# Altium PCB Drivers.PcbDoc (part 2 of 2)
Units mil, origin at the board's own origin, x right, y up, seen from the top; angles counter-clockwise.
Board outline 5500 x 3355 mil, 4 copper layers (Top Layer, GND, Inner 2, EARTH), stack 58.74 mil thick; 166 components, 120 nets, 482 pads, 174 vias.
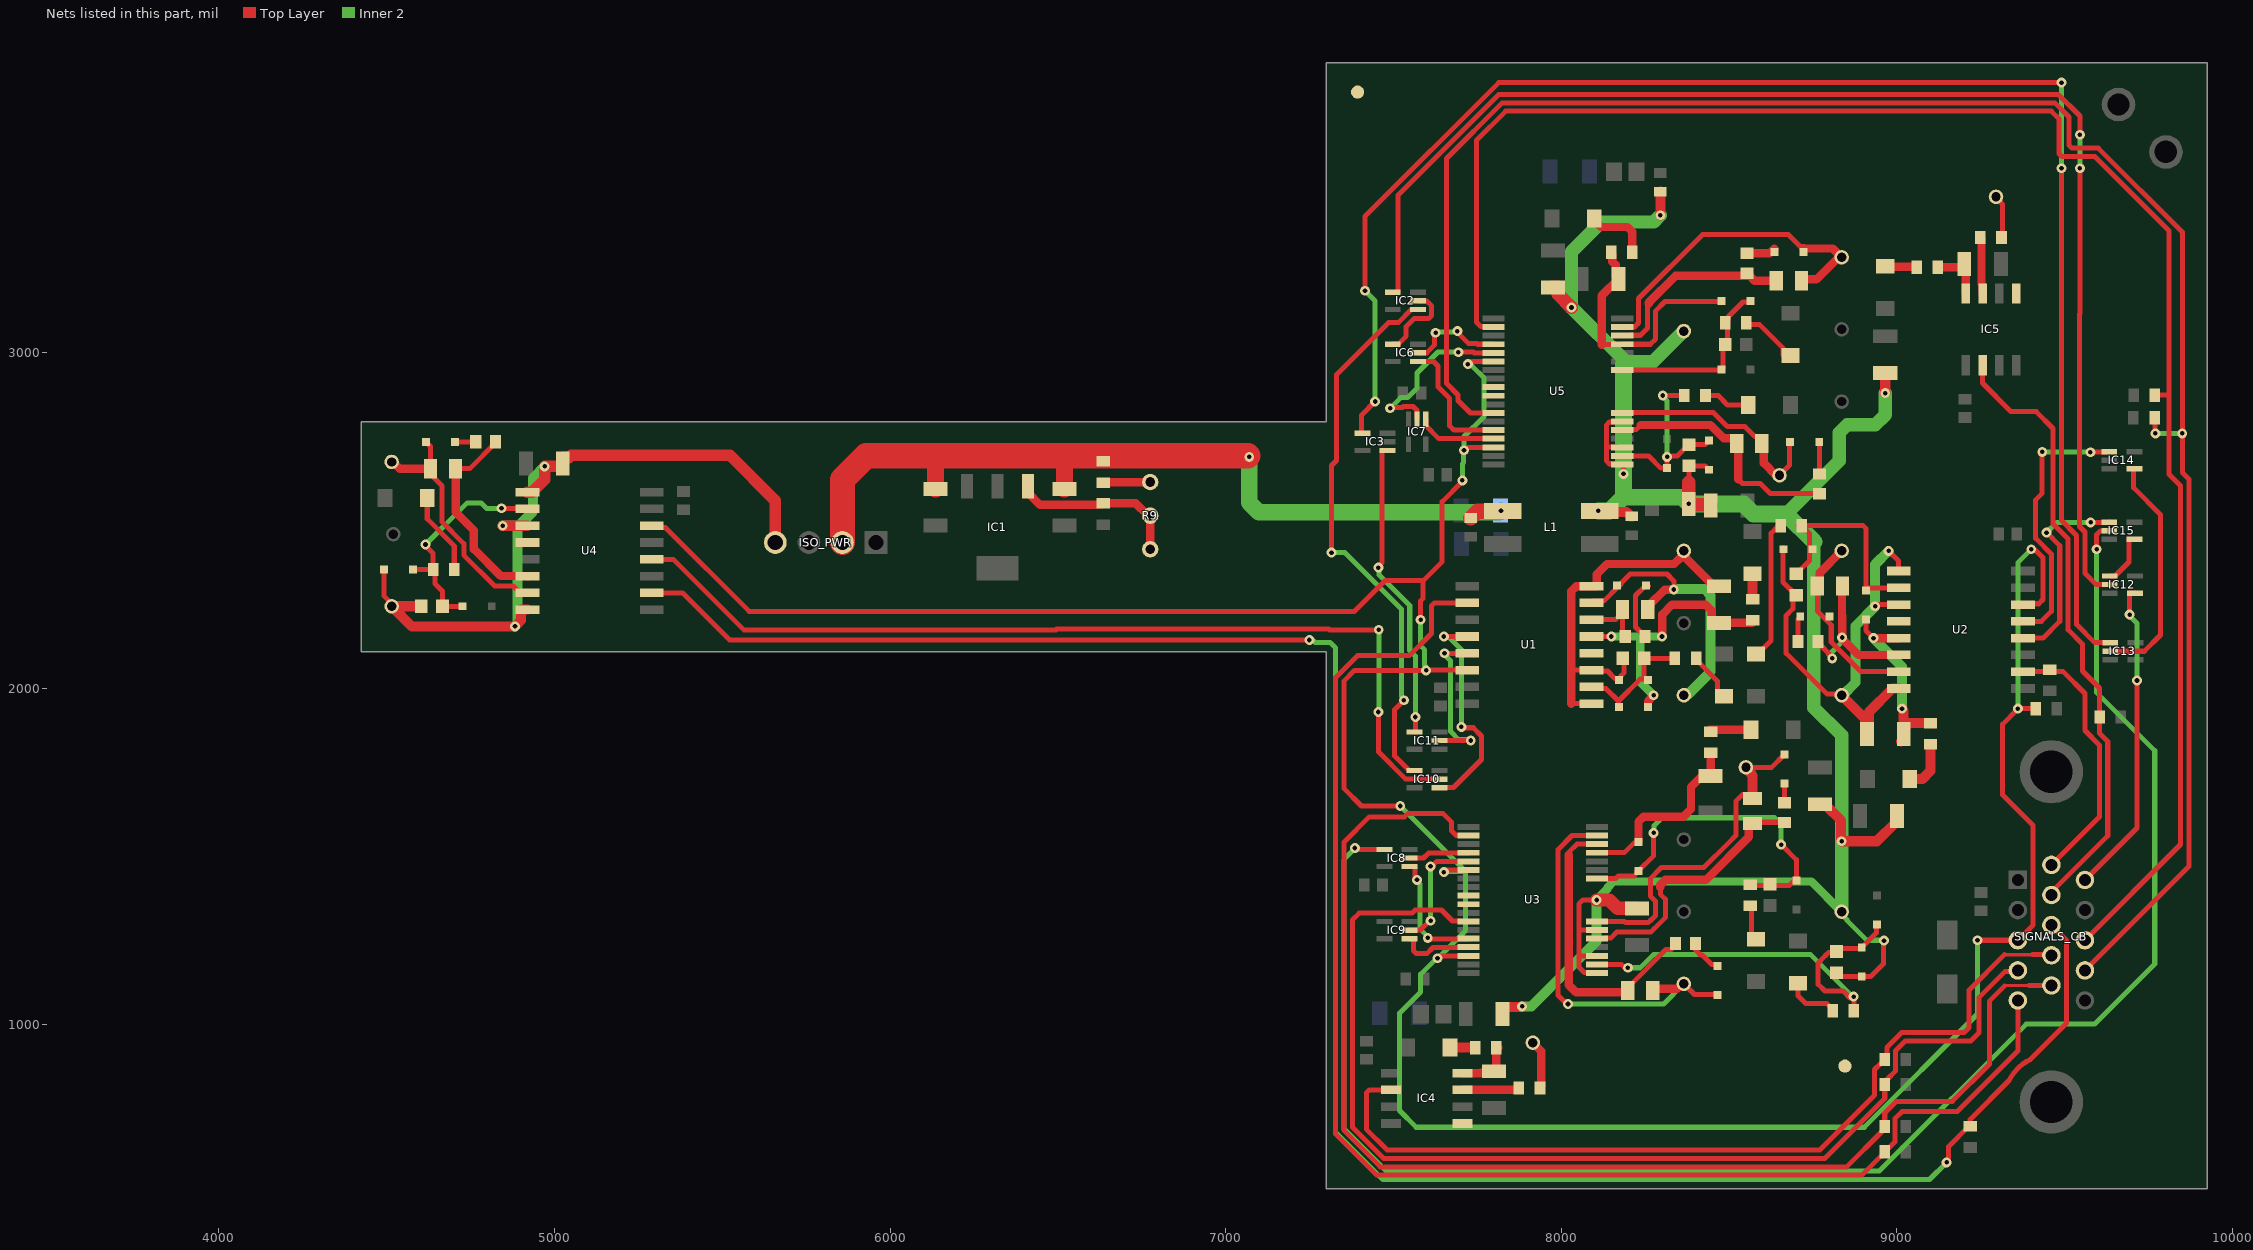
[diagram p4: the nets of this part, all layers, seen from the top]

## Via types
v1: diameter 29.53, hole 13.78, Top Layer to EARTH, tented top, 155 vias
v2: diameter 29.53, hole 13.78, Top Layer to EARTH, 19 vias

## Nets (pads, with @x,y where several pads share a name; then routed paths per layer and width w, separated by ;. In a path a pad name is that pad's centre, name@x,y a point inside that pad or via, vN(x,y) a via of type N, cw(c..) or ccw(c..) an arc to the next point about the centre after c; other vN are vias at no path point) (continued)
FLT_HS_1: IC7.2 U5.5 | length 519.2
  Top Layer w15: v1(7490,2835) 7492.78,2837.78 7526.71,2837.78 7529.45,2840.52 7558.29,2840.52 7569.63,2829.19 7569.63,2802.78 IC7.2@7570,2802.4 ; v2(7693,3002) 7693.26,3002.26 7738.36,3002.26 7740.55,3000.08 7798.39,3000.08 U5.5@7798.46,3000.16
  Inner 2 w15: v1(7490,2835) 7521.39,2866.39 7541.39,2866.39 7570,2895 7570,2940 7632.78,3002.78 7692.22,3002.78 v2(7693,3002)
FLT_HS_2: IC9.2 U3.5 | length 356.6
  Top Layer w15: IC9.2@7547.4,1280 7547.78,1280.37 7579.85,1280.37 7607.54,1308.07 v1(7610.48,1308.07) ; v2(7610,1470) 7613.93,1470 7629.09,1485.16 U3.5@7723.46,1485.16
  Inner 2 w15: v2(7610,1470) 7610,1308.55 v1(7610.48,1308.07)
FLT_LS_1: IC7.1 U5.15 | length 237.9
  Top Layer w15: IC7.1@7595.59,2802.4 7595.96,2802.03 7595.96,2783.41 7635.12,2744.25 U5.15@7798.46,2744.25
FLT_LS_2: IC9.1 U3.15 | length 223.1
  Top Layer w15: IC9.1@7547.4,1254.41 7559.12,1254.41 7559.5,1254.04 7559.5,1218.79 7568.28,1210 7598.97,1210 7617.64,1228.66 7722.87,1228.66 U3.15@7723.46,1229.25
FLT_MERGE_1: IC3.1 IC11.4 | length 907.1
  Top Layer w15: v1(7455,2360) 7455,2363.93 7466.28,2375.21 7466.28,2709.04 7466.65,2709.41 IC3.1@7482.4,2709.41 ; IC11.4@7562.6,1870.59 7564.63,1870.59 7565,1870.96 v1(7565,1915)
  Inner 2 w15: v1(7455,2360) 7456.53,2358.47 7456.53,2338.83 7548.33,2247.03 7548.33,2113.52 7565,2096.85 v1(7565,1915)
FLT_MERGE_2: IC3.4 IC13.1 | length 4671.3
  Top Layer w15: IC3.4@7405,2760.22 7405,2815 v1(7445,2855) ; v1(7415,3185) 7415,3406.89 7813.11,3805 v1(9490,3805) ; v2(9490,3550) 9490,2501.02 9535,2456.02 9535,2191.07 9589.48,2136.59 IC13.1@9635.6,2136.59
  Inner 2 w15: v1(7415,3185) 7445,3155 v1(7445,2855) ; v2(9490,3550) v1(9490,3805)
FLT_MERGE_3: IC13.2 IC14.4 | length 698.4
  Top Layer w15: IC13.2@9635.6,2111 9736.81,2111 9785,2159.19 9785,2518 9705,2598 9705,2654.04 IC14.4@9705.75,2654.78
FLT_ZR1: IC11.2 U1.13 | length 472.4
  Top Layer w15: IC11.2@7637.4,1845 v2(7730,1845) ; v1(7651.75,2105) U1.13@7719.96,2105
  Inner 2 w15: v1(7651.75,2105) 7651.75,2101.07 7669.73,2083.08 7669.73,1872.5 7694.45,1847.78 7727.22,1847.78 v2(7730,1845)
FLT_ZR2: IC14.1 U2.13 | length 800.8
  Top Layer w15: U2.13@9375.04,2200 9430,2200 9460,2230 9460,2400.63 9413.18,2447.45 9413.18,2562.18 9432.74,2581.74 v1(9432.74,2705) ; v2(9576,2704) 9577.22,2705.22 9632.22,2705.22 IC14.1@9632.6,2705.59
  Inner 2 w15: v1(9432.74,2705) 9433.24,2704.5 9575.5,2704.5 v2(9576,2704)
G_H_1: D30.2 G_H_1.1 R13.2 U5.35 | length 996.6
  Top Layer w15: U5.35@8181.54,3076.93 8182.13,3077.52 8218.77,3077.52 8230,3088.75 8230,3161.85 8420.96,3352.82 8676.16,3352.82 8711.98,3317 8722.8,3317 ; R13.2@8714.1,3225.16 8714.1,3216.3 R13.2@8715.4,3215
  Top Layer w25: R13.2@8712.62,3219 8759.59,3219 8825.16,3284.57 G_H_1.1@8835,3284.57 8808.57,3311 D30.2@8722.8,3311
G_H_2: D17.2 G_H_2.1 R21.2 U3.35 | length 1183.7
  Top Layer w15: v1(8020,1060) 8016.07,1060 7990,1086.07 7990,1520 8031.93,1561.93 U3.35@8106.54,1561.93 ; G_H_2.1@8365,1120 8396.8,1088.2 D17.2@8461,1088.2
  Top Layer w25: R21.2@8275.22,1105 8345.05,1105 8360.05,1120 G_H_2.1@8365,1120
  Inner 2 w15: v1(8020,1060) 8305,1060 G_H_2.1@8365,1120
G_L_1: D35.2 G_L_1.1 R18.2 U5.25 | length 683.9
  Top Layer w15: U5.25@8181.54,2821.02 8182.89,2822.38 8452.62,2822.38 8495,2780 8547.4,2780 8576.36,2751.04 8585.22,2751.04 R18.2@8597.4,2738.86 ; R18.2@8594.37,2726.97 R18.2@8603.44,2717.89 ; G_L_1.1@8650,2635 8679.2,2664.2 D35.2@8679.2,2735
  Top Layer w25: R18.2@8603.44,2717.89 8603.44,2671.71 8640.16,2635 G_L_1.1@8650,2635
G_L_2: D21.2 G_L_2.1 R24.2 U3.25 | length 971
  Top Layer w15: U3.25@8106.54,1306.02 8186.7,1306.02 8190.5,1302.22 8258.71,1302.22 8266.04,1309.56 8266.83,1309.56 8280.33,1323.05 8280.33,1366.4 8265,1381.73 8265,1433.49 8298.01,1466.5 8424.65,1466.5 8496.96,1538.81 8520,1561.85 8520,1663.86 8540,1683.86 ; G_L_2.1@8550,1765 8626.69,1765 D21.2@8665,1803.31
  Top Layer w30: G_L_2.1@8550,1765 8550,1761.4 8570,1741.4 R24.2@8570,1672.4
G_SB1: G_SB1.1 R2.2 | length 141.4
  Top Layer w15: G_SB1.1@9295,3465 9295,3462.06 9315,3442.06 R2.2@9315,3331.9
G_SB2: G_SB2.1 R1.2 | length 170.8
  Top Layer w25: G_SB2.1@7915,945 7940,920 7940,850 ; R1.2@7939.74,817.19 7939.74,831 7940,831.26 7940,850 ; R1.2@7940,817.44 7940,850
G_SW: D26.2 G_SW.1 R4.2 U4.7 | length 762.5
  Top Layer w15: D26.2@4616.69,2735 4630.6,2721.09 R4.2@4630.6,2646.14 ; R4.2@4629.71,2639.03 4665,2603.74 4665,2496.73 4730,2431.73 4730,2397.22 4821.92,2305.3 4877.03,2305.3 4897.32,2285 U4.7@4919.96,2285
  Top Layer w25: G_SW.1@4515,2675 4518.8,2675 4538.8,2655 R4.2@4630.6,2655 ; R4.2@4635.6,2644.92 R4.2@4635.6,2669.09
G_ZR1: D32.2 G_ZR1.1 R7.2 U1.7 | length 881.5
  Top Layer w15: U1.7@8090.04,2255 8095.33,2260.3 8126,2260.3 D32.2@8168.45,2302.74 ; D32.2@8164.2,2307 D32.2@8165.69,2307 8175.02,2307 8177.37,2309.34 8177.37,2313.05 8205.32,2341 8314.51,2341 8335,2320.51 v1(8335,2295)
  Top Layer w25: R7.2@8257.4,2235 8264.59,2242.19 8264.59,2251.04 8307.68,2294.13 8334.13,2294.13 v1(8335,2295)
  Inner 2 w30: v1(8335,2295) 8336.17,2296.17 8426.25,2296.17 8445,2277.43 8445,2050.16 8374.84,1980 G_ZR1.1@8365,1980
G_ZR2: D11.2 G_ZR2.1 R15.2 U2.7 | length 565.6
  Top Layer w15: R15.2@8762.6,2305 8762.6,2230.71 8804.14,2189.17 8804.14,2138.75 8892.89,2050 U2.7@9004.96,2050
  Top Layer w25: R15.2@8761.6,2295.86 8769.78,2304.04 8769.78,2344.78 G_ZR2.1@8835,2410
GND_ISO2: C3.1 C10.1 D25.2 ISO_PWR.4 S_SW.1 U4.1 U4.3 U4.8 | length 2308.5
  Top Layer w15: D25.2@4491.69,2355 4491.69,2275.97 4515,2252.66 S_SW.1@4515,2245
  Top Layer w30: C10.1@4603.5,2245 S_SW.1@4515,2245 4575,2185 v1(4882.43,2185) 4900,2202.57 4900,2232.8 4902.2,2235 U4.8@4919.96,2235 ; v1(4846,2485) U4.3@4919.96,2485
  Top Layer w35: U4.1@4919.96,2585 4933.19,2585 4970.95,2622.76 v1(4970.95,2661.99) 5021.56,2661.99 5024.72,2665.16 5024.72,2685.16 5027.89,2688.33 5043.05,2688.33 5049.72,2695 5523,2695 5658,2560 ISO_PWR.4@5658,2435
  Inner 2 w30: v1(4846,2485) 4887,2485 4890,2482 ; v1(4882.43,2185) 4890,2192.57 4890,2482 ; v1(4970.95,2661.99) 4936.5,2627.55 4936.5,2528.5 4890,2482
GND_ISO3: C7.2 C12.1 C16.1 C18.1 C24.1 C26.1 C27.1 C28.1 C29.1 C33.1 C35.1 C39.2 D22.2 D37.2 L1.2 S_L_1.1 S_L_2.1 U3.19 U3.21 U3.24 U5.19 U5.21 U5.24 | length 7124.7
  Top Layer w15: v1(8105,1370) 8063.86,1370 8052.08,1358.21 8052.08,1280.43 ; U3.19@8106.54,1152.48 8082.52,1152.48 8081.16,1153.84 8068.53,1153.84 8052.08,1170.29 8052.08,1203.66 ; U3.21@8106.54,1203.66 8052.08,1203.66 ; U3.24@8106.54,1280.43 8052.08,1280.43 ; U5.21@8165,2720 8134.16,2720 ; U5.19@8180,2667.48 8157.52,2667.48 8156.16,2668.84 8149.05,2668.84 8148.18,2669.71 8142.66,2669.71 8134.16,2678.21 8134.16,2720 ; U5.24@8181.54,2795.43 8157.52,2795.43 8156.16,2794.07 8143.53,2794.07 8134.16,2784.71 8134.16,2720 ; v1(8185,2639.33) U5.19@8185,2666.12 ; 8380,2615 8380,2662.52 C26.1@8380.98,2663.5 ; C26.1@8380,2663.5 C26.1@8380.98,2663.5 ; D37.2@8440,2651.69 8428.19,2663.5 C26.1@8380.98,2663.5 ; C35.1@8820,1153.5 8831.2,1142.3 8840.36,1142.3 8840.97,1141.69 D22.2@8895,1141.69 8921.69,1141.69 8960,1180 8960,1247.68 v1(8961.16,1248.84) ; 8052.08,1203.66 8052.08,1280.43
  Top Layer w30: C27.1@7824.72,1030 7824.72,1045.16 7830.39,1050.83 7880.83,1050.83 v1(7883,1053) ; v1(8109.68,2529.21) 8113.31,2525.59 8194.49,2525.59 8207.13,2512.95 C39.2@8210,2512.95 ; v1(8295,3410) C7.2@8295,3480 ; C29.1@8770,1655.28 8775.67,1649.61 8790.83,1649.61 8833.25,1607.18 8833.25,1546.75 v1(8835,1545) 8939.88,1545 8999.72,1604.84 C16.1@8999.72,1620 ; v1(8965,2880) C28.1@8965,2940.28
  Top Layer w40: C18.1@7975,3195.28 7990.16,3195.28 7990.83,3194.61 7990.83,3174.17 8029.64,3135.36 v1(8030.36,3135.36) ; v1(8105,1370) 8142.66,1370 8167.27,1345.39 8224.33,1345.39 C33.1@8225,1344.72 ; v1(8380,2550) C24.1@8379.72,2550 ; 8380,2615 8380,2550.28 C24.1@8379.72,2550 ; C12.1@8445.28,2540 8445.28,2546.83 8444.61,2547.5 8380.39,2547.5 8379.72,2548.17 C24.1@8379.72,2550
  Inner 2 w15: S_L_2.1@8835,1327.34 8850.69,1311.65 8850.69,1309.46 8910.16,1250 8960,1250 v1(8961.16,1248.84)
  Inner 2 w25: v1(8105,1370) 8105,1371.23 8138.32,1404.55 8138.32,1407.32 8156,1425 8745,1425 S_L_2.1@8835,1335
  Inner 2 w30: v1(7883,1053) 7911,1053 8105,1247 v1(8105,1370)
  Inner 2 w40: v1(8295,3410) 8275,3390 8119.29,3390 8030.36,3301.07 v1(8030.36,3135.36) 8192.5,2973.21 8273.21,2973.21 S_L_1.1@8365,3065 ; 8670,2520 8828.43,2678.43 8828.43,2762.5 8851.67,2785.75 8935.75,2785.75 8965,2815 v1(8965,2880) ; 8752.5,2437.5 8752.5,1943.21 8835,1860.71 v1(8835,1545) S_L_2.1@8835,1335.9
  Inner 2 w50: v1(8109.68,2529.21) 8144.21,2529.21 8185,2570 ; 8185,2965.71 v1(8185,2639.33) 8185,2570 ; 8752.5,2437.5 8670,2520 8572.5,2520 8542.5,2550 v1(8380,2550) 8360,2570 8185,2570
GND_ISO3_RAW: C6.1 C8.1 C38.2 C40.1 ISO_PWR.2 L1.1 R41.2 | length 2650.5
  Top Layer w25: 6775,2685 6780,2690 ; v2@7070,2688.77 v2(7070,2690)
  Top Layer w45: C38.2@7730,2507.95 7750.14,2528.09 7824.19,2528.09 L1.1@7825.32,2529.21
  Top Layer w50: 6124.88,2700.12 6135,2690 C6.1@6135,2594.72 ; C8.1@6520,2594.72 6520,2683.34 6530,2693.34
  Top Layer w75: ISO_PWR.2@5858,2435 5858,2623 5928.34,2693.34 6530,2693.34 v2@7066.66,2693.34
  Inner 2 w50: v2(7070,2690) 7070,2554.29 7099.29,2525 7816.1,2525 v1(7820.32,2529.21)
HS_1: R29.2 SIGNALS_CB.13 U5.2 | length 5197.6
  Top Layer w15: U5.2@7798.46,3076.93 7774.45,3076.93 7773.09,3078.29 7760.46,3078.29 7747.26,3091.48 7747.26,3633.09 7834.17,3720 9460,3720 9482.5,3697.5 9482.5,3593.79 9491.29,3585 9589.64,3585 9810,3364.64 9810,2874 ; SIGNALS_CB.13@9557.6,1247.6 9845,1535 9845,2604.17 9810,2639.17 9810,2874 ; R29.2@9768.5,2874 9810,2874
HS_2: R26.2 SIGNALS_CB.10 U3.2 | length 3822.6
  Top Layer w10: 9321,1114 9322,1115 9394,1115
  Top Layer w15: U3.2@7723.46,1561.93 7722.87,1562.52 7686.23,1562.52 7673.09,1575.66 7673.09,1601.91 7648.05,1626.95 7542.58,1626.95 7533.36,1617.74 7427.74,1617.74 7352.75,1542.75 7352.75,682.54 7460.29,575 8850,575 8955.26,680.26 8955.26,682.81 8960.94,688.5 8963.5,688.5 R26.2@8963.5,695 8963.5,735 8998.5,770 9165,770 9275,880 9275,1068 9321,1114 ; 9394,1115 9394.35,1115.35 SIGNALS_CB.10@9460,1115.35
IN_FD: R28.2 SIGNALS_CB.8 U4.10 | length 6325.7
  Top Layer w15: U4.10@5290.04,2285 5381.49,2285 5522.04,2144.45 v1(7249.18,2144.45) ; v1(9148,588) 9154.07,594.07 9154.07,635.5 9214.06,695.5 R28.2@9218,695.5 9218,716 9333.81,831.81 cw(c9460,768.11) 9396.31,894.31 9505.06,1003.06 9505.06,1249.82 SIGNALS_CB.8@9460,1294.88
  Inner 2 w15: v1(7249.18,2144.45) 7251.95,2141.67 7262.23,2141.67 7266.71,2137.18 7311.26,2137.18 7327.18,2121.26 7327.18,2076.71 7327.18,678 7468,537.18 9097.18,537.18 v1(9148,588)
IN_ZR1: R31.2 SIGNALS_CB.5 U1.10 | length 4325.3
  Top Layer w15: U1.10@7719.96,2255 7621.64,2255 7612.74,2246.1 7612.74,2218.48 7612.85,2218.36 7612.85,2163.84 7547.01,2098 7392.64,2098 7327.75,2033.1 7327.75,672.19 7449.93,550 8895,550 8952.81,607.81 8955.26,607.81 8963.5,616.06 8963.5,623.94 8971.75,632.19 8977.19,632.19 8993.75,648.75 8993.75,718.2 9015.56,740 9180,740 9360,920 SIGNALS_CB.5@9360,1070.47
IN_ZR2: R30.2 SIGNALS_CB.6 U2.10 | length 799.5
  Top Layer w15: U2.10@9375.04,2050 9455,2050 9495,2050 9560,1985 9560,1875 9603,1832 9603,1617.41 SIGNALS_CB.6@9460,1474.41
LS_1: R33.2 SIGNALS_CB.14 U5.12 | length 5790.6
  Top Layer w15: U5.12@7798.46,2821.02 7729.6,2821.02 7692.26,2858.36 7692.26,2874.74 7657.74,2909.26 7657.74,3578.92 7823.82,3745 9470.36,3745 9512.78,3702.58 9512.78,3618.79 9521.56,3610 9600,3610 9850,3360 v1(9850,2760) 9850,2643.74 9870,2623.74 9870,1470.24 SIGNALS_CB.14@9560,1160.24 ; R33.2@9767.5,2807 9768.75,2805.75 9768.75,2761.25 v1(9770,2760)
  Inner 2 w15: v1(9770,2760) v1(9850,2760)
LS_2: R32.2 SIGNALS_CB.4 U3.12 | length 3368.6
  Top Layer w15: U3.12@7723.46,1306.02 7699.45,1306.02 7698.09,1307.38 7675.69,1307.38 7642.75,1340.33 7564.7,1340.33 7554.96,1330.59 7397.59,1330.59 7377.97,1310.97 7377.97,692.67 7470.64,600 8785,600 8963.5,778.5 R32.2@8963.5,820 8971.75,828.25 8971.75,836.75 8995,860 8995,920 9025,950 9220,950 9245,975 9245,1080 9322.22,1157.22 9356.98,1157.22 SIGNALS_CB.4@9360,1160.24
NetC4_2: C4.2 IC4.8 R35.2 | length 170.6
  Top Layer w25: IC4.8@7706,854 7758.92,854 7759.72,854.81 7793.11,854.81 7806.2,867.89 7806.2,923.8 R35.2@7812.4,930
NetC5_2: C5.2 IC5.8 R36.2 | length 168.3
  Top Layer w25: R36.2@9127.4,3255 9192.11,3255 9200.28,3263.17 C5.2@9200.28,3265 9205,3260.28 IC5.8@9205,3176.77
NetC10_2: C10.2 D23.2 D25.1 R3.1 U4.2 | length 688.4
  Top Layer w15: D25.1@4578.31,2355 R3.1@4638.5,2355 ; v1(4616,2429) 4616,2425.07 4638.5,2402.57 R3.1@4638.5,2355 ; D23.2@4726.69,2245 C10.2@4666.5,2245 4666.5,2289.88 4643.56,2312.81 4643.56,2349.95 R3.1@4638.5,2355 ; v1(4842.26,2537) 4917.96,2537 U4.2@4919.96,2535
  Inner 2 w15: v1(4616,2429) 4740.33,2553.33 4781.17,2553.33 4797.5,2537 v1(4842.26,2537)
NetC15_2: C15.2 D28.2 D33.1 R6.1 U1.2 | length 392.4
  Top Layer w15: U1.2@8090.04,2005 8095.33,1999.7 8133.3,1999.7 8170,1963 ; D28.2@8170.2,1945 8170,1945.2 8170,1963 ; D33.1@8248.98,2030 8246.63,2032.34 8246.63,2086.32 8242.95,2090 R6.1@8338.5,2090 ; D33.1@8259.8,2030 8246.63,2030 8246.63,2027.66 8234.66,2027.66 8170,1963
NetC19_2: C19.2 D29.1 R38.2 U5.33 | length 765.8
  Top Layer w15: 8120,3024.39 8180.18,3024.39 U5.33@8181.54,3025.75 8265.17,3025.75 8281,3041.57 8281,3125.23 8308.77,3153 D29.1@8477.2,3153
  Top Layer w25: 8120,3024.39 8120,3170.28 C19.2@8169.72,3220 8161.56,3228.17 8161.56,3262.19 8151.75,3271.99 8151.75,3293.5 R38.2@8145.26,3300
NetC22_2: C22.2 D29.2 D31.1 R11.1 U5.30 | length 552.4
  Top Layer w15: U5.30@8181.54,2948.98 8182.05,2949.49 8476.18,2949.49 D31.1@8476.69,2950 8481,2954.31 8481,3012.81 8490.43,3022.24 C22.2@8490.75,3022.24 ; R11.1@8488.5,3090 8496.75,3098.25 8496.75,3106.75 8541.43,3151.43 8565.24,3151.43 D29.2@8566.8,3153 ; C22.2@8493.5,3025 C22.2@8490.75,3022.24 ; R11.1@8493.5,3085 8495.28,3083.23 C22.2@8495.28,3025 ; C22.2@8495.28,3022.24 C22.2@8490.75,3022.24
NetC23_2: C23.2 D9.2 D12.1 R12.1 U2.2 | length 661.9
  Top Layer w15: C23.2@8700,2341.5 8700.98,2341.5 8712.19,2352.7 8712.19,2353.68 8740,2381.5 8740,2415 8740,2461.5 8728.68,2472.81 8724.74,2472.81 8716.5,2481.06 R12.1@8716.5,2485 ; R12.1@8706.5,2485 R12.1@8716.5,2485 ; U2.2@9004.96,2300 8915.69,2300 D9.2@8908,2292.31 8908,2476.21 8899.21,2485 R12.1@8716.5,2485
NetC26_2: C26.2 D34.2 D37.1 R17.1 U5.20 | length 579.4
  Top Layer w15: U5.20@8181.54,2693.07 8259.95,2693.07 8296.33,2656.69 D34.2@8315,2656.69 ; v1(8302,2873) R17.1@8366.5,2873 ; D34.2@8318,2659.69 8316.31,2659.69 8315,2661 v1(8315,2690) 8317.78,2692.78 8345.3,2692.78 C26.2@8380,2727.48 ; C26.2@8380,2726.5 8428.19,2726.5 D37.1@8440,2738.31
  Inner 2 w15: v1(8302,2873) 8302,2869.95 8315,2856.95 v1(8315,2690)
NetC30_2: C30.2 D16.1 R37.2 U3.33 | length 551.6
  Top Layer w15: U3.33@8106.54,1510.75 8187.75,1510.75 8216,1539 8225.69,1539 D16.1@8230,1543.31
  Top Layer w25: D16.1@8230,1543.31 8230,1603.17 8244.64,1617.82 8363.33,1617.82 8386.32,1640.8 8386.32,1706.55 C30.2@8424.67,1744.9 ; C30.2@8445,1739.72 R37.2@8445,1802.6
NetC32_2: C32.2 D16.2 D18.1 R20.1 U3.30 | length 1016.3
  Top Layer w15: U3.30@8106.54,1433.98 8161.91,1433.98 8169.96,1442.03 8216.9,1442.03 8225.69,1450.81 8225.69,1456.35 D16.2@8230,1460.66 ; D16.2@8230,1456.69 8275,1501.69 v1(8275,1570) ; R20.1@8563,1415.5 8563,1412.95 8622,1412.95 8678.98,1412.95 8700,1433.98 8700,1443.31 ; v1(8655,1535) 8700,1490 D18.1@8700,1428.31
  Inner 2 w15: v1(8275,1570) 8276.35,1571.35 8276.35,1591.35 8300,1615 8635,1615 8655,1595 8655,1550
NetC35_2: C35.2 D19.2 D22.1 R23.1 U3.20 | length 1292.4
  Top Layer w15: U3.20@8106.54,1178.07 8178.46,1178.07 8188.53,1168 v1(8198,1168) ; v1@8859.81,1078.19 8839.48,1098.52 8785.34,1098.52 8765,1118.86 8765,1182.09 8787.81,1204.9 8787.81,1205.3 8795.47,1212.95 8804.13,1212.95 8816.18,1225 8890.69,1225 8891.65,1225.96 8892.66,1225.96 8938.97,1272.28 8938.97,1298.48 D19.2@8940,1299.5 ; v1@8870.81,1082.19 8871.25,1081.75 8871.25,1040.25 R23.1@8871.5,1040
  Inner 2 w15: v1(8198,1168) 8235,1168 8274,1207 8743,1207 v1@8869.61,1080.39
  other v1: 8871,1082
NetD1_1: D1.1 R35.1 | length 69.6
  Top Layer w30: D1.1@7667.99,930 R35.1@7737.6,930
NetD2_1: D2.1 R36.1 | length 88.8
  Top Layer w25: D2.1@8965,3257.99 8966.5,3256.5 9051.1,3256.5 R36.1@9052.6,3255
NetD3_2: D3.2 R3.2 | length 246.3
  Top Layer w15: D3.2@4620.99,2568 4620.99,2505.38 4701.5,2424.88 R3.2@4701.5,2355
NetD4_1: D4.1 R39.1 | length 69.6
  Top Layer w30: R39.1@8570,2272.4 D4.1@8570,2342.01
NetD5_2: D5.2 R6.2 | length 150.5
  Top Layer w15: R6.2@8401.5,2090 8401.5,2086.06 8465.53,2022.03 8465.53,1991.56 8480.08,1977.01 D5.2@8485,1977.01
NetD6_1: D6.1 R40.1 | length 123.5
  Top Layer w30: D6.1@9059.65,1730 9075.39,1730 9100,1754.61 R40.1@9100,1827.6
NetD7_1: D7.1 R38.1 | length 194.6
  Top Layer w25: D7.1@8091.15,3393.85 8099.22,3393.85 8118.07,3375 8196.85,3375 8211.5,3360.36 R38.1@8211.5,3300
NetD8_2: D8.2 R11.2 | length 177.7
  Top Layer w15: R11.2@8556.5,3085 8590,3085 8659.99,3015.01 8659.99,2993.37 8661.35,2992.01 D8.2@8683,2992.01
NetD10_2: D10.2 R12.2 | length 411.2
  Top Layer w15: D10.2@8580,2102.99 8584.92,2102.99 8625,2143.07 8625,2462.56 8643.5,2481.06 R12.2@8643.5,2485
NetD11_1: D11.1 R16.2 | length 66.5
  Top Layer w15: R16.2@8705.47,2140 D11.1@8705.47,2206.45
NetD13_2: D13.2 R17.2 | length 147.8
  Top Layer w15: R17.2@8429.5,2873 8467.74,2873 8481.59,2859.15 8481.59,2858.01 8494.61,2845 D13.2@8564.99,2845
NetD14_1: D14.1 R37.1 | length 118.8
  Top Layer w25: R37.1@8442.31,1877.4 D14.1@8561.07,1877.4
NetD15_2: D15.2 R20.2 | length 82
  Top Layer w15: D15.2@8566,1270.65 R20.2@8566,1352.62
NetD17_1: D17.1 R22.2 | length 97.2
  Top Layer w15: R22.2@8390.22,1231.04 R22.2@8395.53,1231.04 ; R22.2@8395.53,1226.04 8403.76,1217.81 8403.76,1216.78 8414.59,1205.96 8419.51,1205.96 8447.85,1177.62 8460.69,1177.62 D17.1@8465,1173.31
NetD20_2: D20.2 R23.2 | length 140
  Top Layer w15: D20.2@8705,1100.35 8705,1084.61 8728.01,1061.59 8790.85,1061.59 8808.5,1043.94 R23.2@8808.5,1040
NetD21_1: D21.1 R25.2 | length 52.2
  Top Layer w15: R25.2@8665,1664.53 D21.1@8665,1716.69
NetD26_1: D26.1 R5.2 | length 62.2
  Top Layer w15: D26.1@4703.31,2735 R5.2@4765.47,2735
NetD30_1: D30.1 R14.2 | length 87.7
  Top Layer w25: R14.2@8553,3296.53 8620.22,3296.53 D30.1@8634.69,3311
NetD32_1: D32.1 R10.2 | length 186
  Top Layer w15: R10.2@8249.53,2155 8249.53,2157.95 8240.3,2167.19 8237.34,2167.19 8221,2183.53 8221,2277.02 8248.98,2305 D32.1@8259.8,2305
NetD35_1: D35.1 R19.2 | length 93.6
  Top Layer w15: D35.1@8768.8,2735 8768.8,2658.3 8768.8,2647.6 8769,2647.4 8769.91,2647.4 8772,2649.49 R19.2@8772,2647.4
NetFID1_1: FID1.1
NetFID2_1: FID2.1
NetIC1_1: IC1.1 R8.2 R9.1 R9.2 | length 515
  Top Layer w25: IC1.1@6410.55,2602.05 6410.55,2583.35 6446.67,2547.22 6539.68,2547.22 6613.17,2547.22 6614.19,2548.25 6631.75,2548.25 R8.2@6635,2551.5 6732.06,2551.5 6768.55,2515 R9.2@6775,2515 R9.1@6775,2415
NetIC4_5: IC4.5
NetIC4_7: IC4.7 R1.1 | length 171.6
  Top Layer w25: IC4.7@7706,804 7870.26,804 7873.5,807.25 R1.1@7873.5,810
NetIC5_5: IC5.5
NetIC5_7: IC5.7 R2.1 | length 165.3
  Top Layer w25: R2.1@9251.75,3340.75 9251.75,3205.16 9254.7,3202.2 9254.7,3177.07 IC5.7@9255,3176.77
NetR4_1: R4.1 R5.1 U4.6 | length 617.6
  Top Layer w15: R4.1@4697.4,2655 4747.48,2655 4824.53,2732.05 R5.1@4824.53,2735
  Top Layer w25: R4.1@4705.4,2655 4705.4,2525.6 4760,2471 4760,2415.23 4839.94,2335.3 4919.67,2335.3 U4.6@4919.96,2335
NetR7_1: R7.1 R10.1 U1.6 | length 163.1
  Top Layer w15: U1.6@8090.04,2205 8161.46,2205 8177.91,2221.46 8182.6,2216.77 R10.1@8182.6,2155
NetR9_3: R9.3 R41.1 | length 140.6
  Top Layer w25: R41.1@6635,2613.5 6635.75,2614.25 6774.25,2614.25 R9.3@6775,2615
NetR13_1: R13.1 R14.1 U5.34 | length 586.5
  Top Layer w15: U5.34@8181.54,3051.34 8205.73,3051.34 8206.91,3052.52 8235.79,3052.52 8256,3072.73 8256,3142.66 8260,3146.66
  Top Layer w25: 8260,3146.66 8260,3149.43 8340.17,3229.6 R14.1@8553,3229.6 ; R14.1@8553,3237.47 8555.95,3237.47 8560.19,3233.24 8560.19,3230.29 8575.47,3215 R13.1@8640.6,3215
NetR15_1: R15.1 R16.1 U2.6 | length 463.7
  Top Layer w15: R16.1@8764.53,2140 8764.53,2137.05 8804.48,2097.09 8804.48,2092.78 v1(8807.26,2090)
  Top Layer w25: R15.1@8836.4,2287 8836.1,2286.7 8836.1,2216.88 8836.4,2216.58 8836.4,2150.03 8837.27,2150.03 8837.27,2148.05 8885.32,2100 U2.6@9004.96,2100
  Inner 2 w15: v1@8797.26,2100 8833.62,2136.36 8833.62,2149.34 v1(8836.4,2152.12)
NetR18_1: R18.1 R19.1 U5.23 | length 736.9
  Top Layer w15: U5.23@8181.54,2769.84 8205.55,2769.84 8206.91,2771.2 8223.13,2771.2 8236.93,2785 ; 8527,2623.6 8539.68,2610.92 8592.57,2610.92 8623.02,2580.47 R19.1@8762.55,2580.47
  Top Layer w25: 8236.93,2785 8444.51,2785 8483.46,2746.04 8515.41,2746.04 8526.36,2735.1 8526.36,2714.6 8527,2713.96 8527,2623.6
NetR21_1: R21.1 R22.1 U3.34 | length 865
  Top Layer w15: 8022.08,1505 8022.08,1512.08 8046.34,1536.34 U3.34@8106.54,1536.34 ; R21.1@8197.6,1100 8197.6,1108.86 8311.56,1222.81 8328.29,1222.81 R22.1@8335.47,1230
  Top Layer w25: 8022.08,1505 8022.08,1116.92 8044,1095 R21.1@8191.41,1095
NetR24_1: R24.1 R25.1 U3.23 | length 792.2
  Top Layer w15: U3.23@8106.54,1254.84 8130.55,1254.84 8131.91,1256.2 8147.2,1256.2 8166,1275 8266.84,1275 8276.4,1284.56 8277.19,1284.56 8310,1317.37 8310,1372.08 8295,1387.08 8295,1408.07 ; R24.1@8570,1597.6 8573.94,1601.54 8661.06,1601.54 R25.1@8665,1605.47
  Top Layer w25: 8295,1408.07 8295,1415.36 8309.64,1430 8430.57,1430 8558.46,1557.88 R24.1@8558.46,1595.79
NetU1_4: U1.4
NetU2_4: U2.4
NetU3_9: U3.9
NetU3_10: U3.10
NetU4_4: U4.4
NetU5_9: U5.9
NetU5_10: U5.10
RDY: IC12.4 SIGNALS_CB.11 | length 943.1
  Top Layer w15: SIGNALS_CB.11@9560,1429.53 9715,1584.53 v1(9715,2024) ; v1(9693.21,2220) 9693.21,2283.63 9693.58,2284 IC12.4@9708.8,2284
  Inner 2 w15: v1(9693.21,2220) 9693.21,2216.07 9715,2194.28 v1(9715,2024)
RDY_1: IC2.2 IC6.4 | length 244.3
  Top Layer w15: IC6.4@7497.6,3025.59 7497.97,3025.96 7513.72,3025.96 7537.68,3049.92 7537.68,3078.31 7561.64,3102.26 7604.66,3102.26 7613.45,3111.05 7613.45,3140.37 7599.19,3154.63 7572.78,3154.63 IC2.2@7572.4,3155
RDY_2: IC8.4 IC15.2 | length 5065.6
  Top Layer w15: v2(7385.01,1525) 7388.94,1525 7393.35,1520.59 IC8.4@7481.11,1520.59 ; v1(9595,2415) 9594.48,2415.52 9594.48,2458.29 9605.81,2469.63 9616.48,2469.63 9616.85,2470 IC15.2@9632.6,2470
  Inner 2 w15: v2(7385.01,1525) 7385.01,1524.06 7352.18,1491.23 7352.18,722.36 7352.18,688.36 7478.36,562.18 8947.18,562.18 9385,1000 9588.61,1000 9768,1179.39 9768,1814.74 9595,1987.74 v1(9595,2415)
RDY_FD: IC10.2 U4.12 | length 2834.7
  Top Layer w15: U4.12@5290.04,2385 5354.29,2385 5564.29,2175 6494.36,2175 6496.08,2176.71 7308.31,2176.71 7310.02,2175 v2(7456.06,2175) ; v1(7455,1930) 7455,1811.19 7536.19,1730 IC10.2@7637.4,1730
  Inner 2 w15: v1(7455,1930) 7456.06,1931.06 v2(7456.06,2175)
RDY_HS_1: IC6.2 U5.4 | length 291.1
  Top Layer w15: IC6.2@7572.4,3000 7572.78,3000.37 7599.19,3000.37 7622.69,3023.88 7622.69,3057.22 v2(7625.47,3060) ; v1(7690,3065) 7690,3061.07 7723.81,3027.26 7748.72,3027.26 7750.24,3025.75 U5.4@7798.46,3025.75
  Inner 2 w15: v2(7625.47,3060) 7627.97,3062.5 7687.5,3062.5 v1(7690,3065)
RDY_HS_2: IC8.2 U3.4 | length 182.6
  Top Layer w15: IC8.2@7547.4,1495 7589.37,1495 7604.53,1510.16 7722.87,1510.16 U3.4@7723.46,1510.75
RDY_LS_1: IC6.1 U5.14 | length 394.8
  Top Layer w15: IC6.1@7572.4,2974.41 7618.95,2974.41 7632.74,2960.62 7632.74,2898.91 7667.26,2864.38 7667.26,2782.74 7680.16,2769.84 7729.16,2769.84 U5.14@7798.46,2769.84
RDY_LS_2: IC8.1 U3.14 | length 351.9
  Top Layer w15: IC8.1@7562.83,1469.73 7563.52,1469.04 7563.52,1440.41 7570,1433.93 v2(7570,1430) ; v1(7601.96,1256.86) 7604.57,1254.25 7722.87,1254.25 U3.14@7723.46,1254.84
  Inner 2 w15: v2(7570,1430) 7570,1426.07 7578.22,1417.85 7578.22,1284.54 7601.96,1260.79 v1(7601.96,1256.86)
RDY_MERGE_1: IC2.1 IC10.4 | length 1667.1
  Top Layer w15: v1(7315,2405) 7315,2664.47 7330,2679.47 7330,2935 7485,3090 7514.02,3090 7553.05,3129.04 7572.03,3129.04 IC2.1@7572.4,3129.41 ; v1(7530.92,1965) 7502.74,1936.81 7502.74,1799.7 7546.85,1755.59 IC10.4@7562.6,1755.59
  Inner 2 w15: v1(7315,2405) 7355,2405 7523.33,2236.67 7523.33,1976.53 7530.92,1968.93 v1(7530.92,1965)
RDY_MERGE_2: IC2.4 IC12.2 | length 3929.2
  Top Layer w15: IC2.4@7513.72,3180.96 7513.72,3470.26 7813.46,3770 9480.71,3770 9545.04,3705.67 v1(9545.04,3650) ; v2(9545,3550) 9545,3117.59 9543.74,3116.33 9543.74,2482.64 9560,2466.37 9560,2343 9593.41,2309.59 IC12.2@9634,2309.59
  Inner 2 w15: v2(9545,3550) v1(9545.04,3650)
RDY_MERGE_3: IC12.1 IC15.4 | length 158.1
  Top Layer w15: IC12.1@9634,2335.18 9649.75,2335.18 9691.28,2376.71 9691.28,2444.04 9691.65,2444.41 IC15.4@9707.4,2444.41
RDY_ZR1: IC10.1 U1.12 | length 669.4
  Top Layer w15: IC10.1@7637.4,1704.41 7637.78,1704.78 7678.41,1704.78 7762.26,1788.64 7762.26,1858.36 7737.55,1883.08 7704.78,1883.08 v2(7702,1885.86) ; v1(7650,2155) U1.12@7719.96,2155
  Inner 2 w15: v1(7650,2155) 7652.78,2152.22 7665.74,2152.22 7702,2115.97 v2(7702,1885.86)
RDY_ZR2: IC15.1 U2.12 | length 612
  Top Layer w15: U2.12@9375.04,2150 9435,2150 9485,2200 9485,2425.69 9446.1,2464.59 v1(9445.44,2464.59) ; v2(9577,2495) 9577.3,2495.3 9632.3,2495.3 IC15.1@9632.6,2495.59
  Inner 2 w15: v1(9445.44,2464.59) 9475.85,2495 v2(9577,2495)
RST: R42.2 SIGNALS_CB.3 U1.14 U2.14 U3.6 U3.16 U4.14 U5.6 U5.16 | length 9580.7
  Top Layer w15: U4.14@5290.04,2485 5295.33,2479.7 5330.3,2479.7 5580,2230 7384,2230 7475.76,2321.76 7585.51,2321.76 7587.26,2320 ; v1(7520,1650) 7404.37,1650 7352.87,1701.5 7352.87,1989.51 7352.96,1989.61 7352.96,2022.96 7384,2054 v1(7597.26,2054) ; v1(7580.59,2205) 7580.59,2261.13 7587.26,2267.8 7587.26,2320 ; v1@7595.5,2054.5 7719.46,2054.5 U1.14@7719.96,2055 ; v1(7631,1196.4) 7634.9,1196.4 7642.17,1203.66 U3.16@7723.46,1203.66 ; v1(7650.17,1452.89) 7654.1,1452.89 7660.77,1459.57 7699.29,1459.57 U3.6@7699.37,1459.65 ; v1(7705,2620) 7705,2616.61 7645,2556.61 7645,2377.74 7587.26,2320 ; v1(7710,2710) 7713.93,2710 7722.59,2718.66 U5.16@7798.46,2718.66 ; v1(7721.5,2966.5) 7725.43,2966.5 7733.5,2974.57 U5.6@7798.46,2974.57 ; v1(9240,1250) SIGNALS_CB.3@9360,1250 9405.06,1295.06 9405.06,1592.51 9315,1682.57 9315,1893.95 9360,1938.95 v1(9360,1940) R42.2@9413.5,1940 ; U2.14@9375.04,2250 9377.58,2252.54 9422.54,2252.54 9435,2265 9435,2389.67 9412.45,2412.22 9402.78,2412.22 v1(9400,2415)
  Inner 2 w15: v1(7520,1650) 7715,1455 ; v1(7580.59,2205) 7580.59,2127.21 7592.74,2115.06 7592.74,2068.8 7594.48,2067.05 7594.48,2056.78 v1(7597.26,2054) ; v1(7631,1196.4) 7628.4,1196.4 7581,1149 7581,1096 7517.74,1032.74 7517.74,742.64 7567.56,692.82 8902.82,692.82 9240,1030 v1(9240,1250) ; v1@7631.67,1195.72 7715,1279.05 7715,1455 ; v1(7650.17,1452.89) 7652.27,1455 7715,1455 ; v1(7705,2620) 7705,2669.37 7708.35,2672.72 7708.35,2708.35 v1(7710,2710) 7710,2750.68 7769.26,2809.94 7769.26,2925.74 7733,2962 7729.93,2962 7725.43,2966.5 v1(7721.5,2966.5) ; v1(9360,1940) 9360,2375 v1(9400,2415)
S_ZR1: C13.1 C15.1 D33.2 S_ZR1.1 U1.1 U1.3 U1.8 | length 1161.8
  Top Layer w15: 8030,1955.07 8089.97,1955.07 U1.1@8090.04,1955 ; 8030.42,2055 U1.3@8090.04,2055 8092.9,2052.14 8137.23,2052.14 8160.06,2029.31 8176,2029.31 8176,2035.81 8187.05,2046.85 C15.1@8187.05,2090
  Top Layer w25: 8030,1955.07 8030,2290.06 8044.64,2304.7 U1.8@8089.45,2304.7 ; U1.8@8090.04,2305 8105.36,2305 8105.65,2305.3 8105.65,2340.65 8136,2371 8336,2371 S_ZR1.1@8355.85,2390.85 ; S_ZR1.1@8365,2410 8368.5,2406.5 8368.5,2391.06 8454.84,2304.72 C13.1@8470,2304.72
S_ZR2: C17.1 C23.1 D12.2 S_ZR2.1 U2.1 U2.3 U2.8 | length 1527.9
  Top Layer w15: D12.2@8660,2419.31 8660,2317.52 8699.02,2278.5 C23.1@8700,2278.5 8689.87,2268.37 8689.87,2237.3 8670,2217.44 8670,2105 8790.85,1984.15 8830.85,1984.15 S_ZR2.1@8835,1980 ; v1(8935,2245) 8938.93,2245 8943.93,2250 U2.3@9004.96,2250 ; v1(8975,2410) 9004.96,2380.04 U2.1@9004.96,2350 U2.1@9006.97,2348
  Top Layer w30: S_ZR2.1@8835,1980 8904.88,1910.12 8904.88,1870.67 C17.1@8910.55,1865 8916.22,1870.67 8916.22,1910.12 8916.22,1929.49 8986.73,2000 U2.8@9004.96,2000
  Inner 2 w30: S_ZR2.1@8836.59,1978.41 8876.17,2017.99 8876.17,2186.17 v1(8935,2245) 8935,2370 v1(8975,2410)
SB1: IC5.2 R34.2 SIGNALS_CB.7 | length 1846.6
  Top Layer w15: IC5.2@9255,2963.23 9255,2910 9340,2825 9415,2825 9465,2775 9465,2490.66 9510,2445.66 9510,2174.83 9553,2131.83 9553,2052 9603.5,2001.5 R34.2@9603.5,1915 9603.5,1866.85 9628,1842.36 9628,1561.25 9460,1393.25 SIGNALS_CB.7@9460,1384.65
SB2: IC4.2 R27.2 SIGNALS_CB.9 | length 2627.9
  Top Layer w10: 9320,1207 9404,1207
  Top Layer w15: IC4.2@7492.46,804 7427.79,804 7419,795.21 7419,687 7481,625 8770,625 8933.26,788.26 8933.26,864.75 8951.32,882.81 8955.26,882.81 8963.5,891.06 R27.2@8963.5,895 ; R27.2@8964.01,890.56 8970,896.55 8970,930.75 9014.25,975 9200,975 9215,990 9215,1102 9320,1207 ; 9404,1207 9458.12,1207 SIGNALS_CB.9@9460,1205.12
VGG_ZR1: C13.2 D28.1 R39.2 U1.5 | length 821.5
  Top Layer w15: U1.5@8090.04,2155 v1(8148.98,2155)
  Top Layer w25: D28.1@8258.31,1945 8258.31,1962.08 8275,1978.77 v1(8275,1980) ; v1(8300,2155) 8300.87,2155.87 8300.87,2220.87 8330,2250 8430,2250 8447.6,2232.4 8447.6,2203.44 8455.77,2195.28 C13.2@8470,2195.28 8471.16,2196.44 8568.84,2196.44 R39.2@8570,2197.6
  Inner 2 w25: v1(8148.98,2155) 8225,2155 ; v1(8275,1980) 8235,2020 8235,2155 v1(8300,2155)
VGG_ZR2: C17.2 D9.1 R40.2 U2.5 | length 569.5
  Top Layer w15: D9.1@8908,2204.2 8908,2201.88 8907.5,2201.38 8907.5,2172.5 v1(8930,2150)
  Top Layer w25: v1(8930,2150) U2.5@9004.96,2150
  Top Layer w30: C17.2@9012.36,1842.2 9020,1849.84 C17.2@9020,1865 C17.2@9020,1880.16 ; v1(9015,1940) 9020,1935 C17.2@9020,1880.16 ; R40.2@9095.31,1897.72 9037.56,1897.72 C17.2@9020,1880.16
  Inner 2 w30: v1(8930,2150) 9015,2065 v1(9015,1940)

## Polygon pours and split planes (outlines as drawn)
+VGG_RAW on Top Layer "NONET_L-01_P-001" (solid, remove dead copper, pour order 2): 6190,2665 6190,2310 6995,2310 6995,2665
EARTH on EARTH "EARTH_L04_P000" (solid, pour order 0): 7300,2096.46 4419.29,2096.46 4419.29,2805.12 7299.88,2805.12 7300,2805 7300,3865 9925,3865 9925,510 7300,510
DGND on GND "DGND_L02_P001" (solid, remove dead copper, pour order 1): 5545,2548 5545,2283.46 7116.14,2283.46 7312.99,2480.31 7312.99,3865 9925,3865 9925,510 7300,510 7300,2110.24 5220,2110.24 5220,2615 5478,2615

## Keep-outs
Keep-Out Layer:
  lines w10: 3600,2090 3605,2095

## Other copper
GND:
  pour cut-out: 7805.12,2273.62 7696.85,2381.89 7696.85,2549.21 7736.22,2588.58 7805.12,2588.58 7854.33,2637.8 7854.33,3592.52 7962.6,3700.79 9448.82,3700.79 9448.82,3041.34 9429.13,3021.65 9251.97,3021.65 9192.91,3021.65 9163.39,2992.13 9163.39,2736.22 9251.97,2736.22 9251.97,1673.23 9084.65,1505.91 9084.65,1072.83 8690.94,679.13 7578.74,679.13 7578.74,836.61 7529.53,885.83 7500,885.83 7490.16,895.67 7490.16,954.72 7509.84,974.41 7529.53,974.41 7549.21,994.09 7644.35,1089.24 7782.15,1089.24 7805.12,1112.2
EARTH:
  pour cut-out: 5809.72,2355 5809.72,2854.33 4399.61,2854.33 4291.34,2854.33 4291,2855 4291.34,2066.93 5147.64,2066.93 5147.64,2647.64 5565,2647.64 5565,2355
  pour cut-out: 8523.62,3451.01 8513.78,3460.85 8513.78,3651.57 8188.98,3651.57 8188.98,3474.41 8159.45,3444.88 7913.67,3445.06 7913.67,2608.27 7953.04,2568.9 7953.04,2372.05 7913.67,2332.82 7913.67,1171.55 7814.96,1072.83 7667.32,1072.83 7578.74,984.25 7578.74,866.14 7608.27,836.61 7608.27,698.82 7627.95,679.13 7950.58,679.13 8005.92,734.47 8648.15,734.47 9009.85,1096.18 9009.85,1499.72 9187.02,1676.89 9187.02,2555.34 9108.28,2555.34 9108.28,2987.91 9191.23,3070.87 9350.39,3070.87 9409.45,3129.92 9409.45,3671.26 9230.11,3671.26 9009.86,3451.01
  text "TM" at 7533.07,3712 h150

## Silkscreen, mask and mechanical layers (free items; w line width, h text height)
Top Overlay:
  text "EARTH" at 9574.78,3678.28 h59.06 r90
  text "FLT_MERGE_2" at 9498.94,3332.38 h39.37 r90
  text "RDY_MERGE_2" at 9553.94,3324.97 h39.37 r90
  text "RDY_HS_1" at 7636.94,3083.37 h39.37 r90
  text "FLT_HS_1" at 7705.94,3027.77 h39.37 r90
  text "Drivers - qZSI" at 9701,2919.72 h120 r90
  text "MFR R1 - TM 0524" at 9790,2919.72 h70 r90
  text "Cicconi - García - Tinazzo" at 9865,2919.72 h70 r90
  text "RDY_LS_1" at 7667.94,2899.52 h39.37 r90
  text "GND_ISO3_RAW" at 6912.5,2726.59 h59.06
  text "FLT_LS_1" at 7704.94,2682.92 h39.37 r90
  text "FLT_ZR2" at 9548.94,2646.49 h39.37 r90
  text "5V" at 9390.6,2532.11 h39.37
  text "TM" at 6998.03,2441 h236.22
  text "RDY_ZR2" at 9552.94,2435.09 h39.37 r90
  text "VGG_RAW" at 6979.87,2315.59 h59.06
  text "5V" at 7185.4,2261.16 h59.06
  text "- + - +" at 5616.91,2203.42 h157.48
  text "RDY_FD" at 7403.62,2125.06 h39.37
  text "RDY_ZR1" at 7727.72,1876.06 h39.37
  text "FLT_ZR1" at 7754.13,1835.06 h39.37
  text "FLT_FD" at 7722.02,1797.06 h39.37
  text "RDY_HS_2" at 7662.94,1524.73 h39.37 r90
  text "FLT_HS_2" at 7620.94,1495.13 h39.37 r90
  text "RDY_2" at 7356.94,1485.79 h39.37 r90
  text "RDY_LS_2" at 7501.88,1385.06 h39.37
  text "FLT_2" at 7380.94,1266.2 h39.37 r90
  text "FLT_LS_2" at 7416.28,1202.06 h39.37
  text "GND" at 9122.86,982.15 h39.37
Top Solder:
  circle w15: c7563,1211 r5
  circle w15: c7652,1510 r5
  circle w15: c7656,2876 r5
  circle w15: c7661,2744 r5
Mechanical 1:
  lines w19.68: 7945,1680 7955,1680 8320,1680 8320,1850 7945,1850 7945,1680 ; 7990,720 8755,720 8755,1020 8750,1025 7990,1025 7990,720 ; 8444.88,3385.83 9192.91,3385.83 9192.91,3395.67 9192.91,3681.1 8444.88,3681.1 8444.88,3385.83 ; 8800,3910 8800,4120 9360,4120 9360,3910 8800,3910 ; 8890,2550 8900,2550 9270,2550 9270,2720 8890,2720 8890,2550
Board Shape:
  lines w10: 7990,720 8755,720 8755,1025 7990,1025 7990,720
  lines w19.68: 4425,2110 4425,2795 7300,2795 7300,3865 9925,3865 9925,3550 9925,2525 9925,510 7300,510 7300,850 7300,1065 7300,1870 7300,2110 4425,2110 ; 7910,1650 7910,1870 8350,1870 8350,1650 7910,1650 ; 8868.11,2525 9300,2525 9300,2746.06 8868.11,2746.06 8868.11,2525